# Allegro board PCIE_FIBER_BOARD-1116.brd (continued)
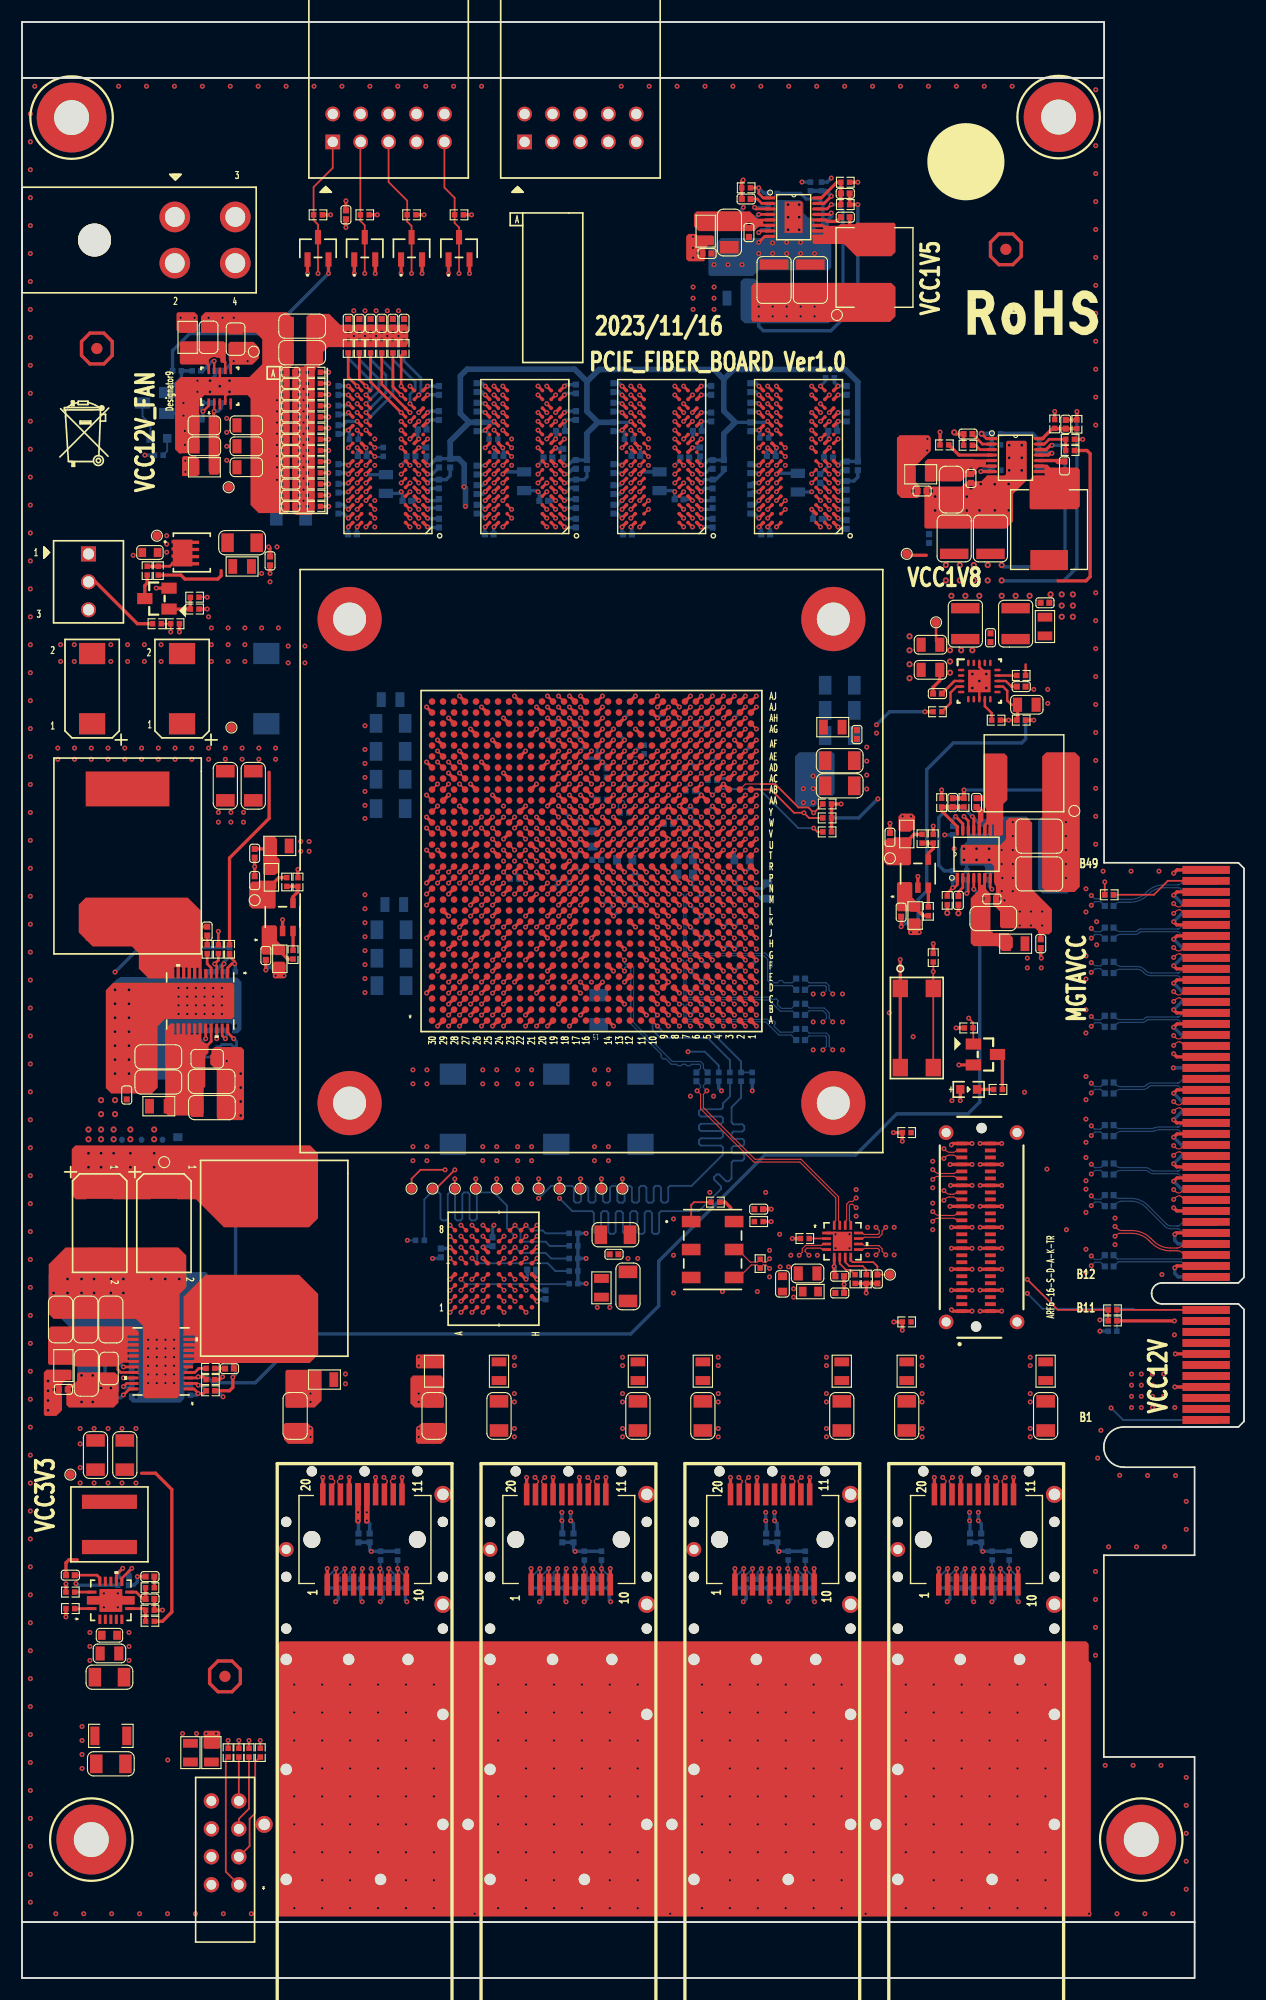
[diagram p0: board, top side]
## Routing (per net, layer and track width the routed paths; a pad name or vN(x,y) marks a point on that pad's centre or on a via; arc(x,y) is an arc through that point) (continued)
BPI_FLASH_A_9: length 79.6
  TOP w0.165: U247.V20 v1(46.8,104.53) ; U248.C3 v1(40.93,62.51)
  ART03 w0.117: v1(40.93,62.51) 40.39,61.98 38.68,61.98 37.03,63.63 36.08,63.63 31.44,68.27 31.44,74.7 27.6,78.54 27.6,80.97 28.64,82.01 28.64,85.92 28.52,86.03 27.71,86.03 27.6,86.15 27.6,86.38 27.71,86.5 28.52,86.5 28.64,86.62 28.64,86.85 28.52,86.97 27.71,86.97 27.6,87.08 27.6,87.32 27.71,87.43 28.52,87.43 28.64,87.55 28.64,87.78 28.52,87.9 27.71,87.9 27.6,88.02 27.6,94.94 28.01,95.35 28.01,95.52 27.75,95.78 27.75,95.95 27.91,96.11 28.08,96.11 28.34,95.85 28.5,95.85 28.67,96.02 28.67,96.18 28.41,96.44 28.41,96.61 28.57,96.77 28.74,96.77 29,96.51 29.17,96.51 29.33,96.68 29.33,96.84 29.07,97.1 29.07,97.27 29.24,97.43 29.4,97.43 29.66,97.17 29.83,97.17 29.99,97.34 29.99,97.5 29.73,97.77 29.73,97.93 29.9,98.1 30.06,98.1 30.32,97.83 30.49,97.83 30.65,98 30.65,98.17 30.39,98.43 30.39,98.59 33.9,102.1 34.58,102.1 34.7,102.21 34.7,102.52 34.82,102.64 35.05,102.64 35.17,102.52 35.17,102.21 35.28,102.1 35.52,102.1 35.63,102.21 35.63,102.52 35.75,102.64 35.98,102.64 36.1,102.52 36.1,102.21 36.22,102.1 38.24,102.1 38.36,102.21 38.36,102.6 38.47,102.72 38.71,102.72 38.82,102.6 38.82,102.21 38.94,102.1 39.18,102.1 39.29,102.21 39.29,102.6 39.41,102.72 39.64,102.72 39.76,102.6 39.76,102.21 39.88,102.1 41.43,102.1 41.54,102.21 41.54,102.6 41.66,102.72 41.9,102.72 42.01,102.6 42.01,102.21 42.13,102.1 43.01,102.1 43.28,102.36 43.28,102.72 43.56,103 44.96,103 45.09,103.12 45.09,103.63 45.47,104.01 45.97,104.01 46.49,104.53 v1(46.8,104.53)
BPI_FLASH_A_10: length 80.1
  TOP w0.165: U247.V19 v1(47.8,104.53) ; U248.D3 v1(41.93,62.51)
  ART03 w0.117: v1(41.93,62.51) 42.49,61.95 42.49,60 41.78,59.29 35.76,59.29 29.54,65.5 29.54,73.58 24.68,78.44 24.68,97.07 32.58,104.97 47.24,104.97 47.68,104.53 v1(47.8,104.53)
BPI_FLASH_A_11: length 77.1
  TOP w0.165: U247.W26 v1(41.8,105.53) ; U248.C4 v1(40.93,63.51)
  ART10 w0.117: v1(40.93,63.51) 41.5,62.94 42.95,62.94 43.07,62.82 43.07,62.09 42.95,61.98 40.72,61.98 40.51,62.19 40.51,62.67 40.22,62.96 39.72,62.96 39.37,62.61 39.37,62.23 39.12,61.98 37.08,61.98 31.78,67.28 31.78,76.1 32.61,76.94 32.61,80.8 27.64,85.77 27.64,96.59 28.34,98.27 31.78,101.71 31.78,101.88 31.65,102.01 31.65,102.17 31.81,102.34 31.98,102.34 32.11,102.21 32.28,102.21 32.74,102.67 32.74,102.84 32.33,103.24 32.33,103.41 32.5,103.57 32.66,103.57 33.07,103.17 33.23,103.17 33.4,103.33 33.4,103.5 32.99,103.9 32.99,104.07 33.16,104.24 33.33,104.24 33.73,103.83 33.9,103.83 34.06,104 34.06,104.16 33.66,104.57 33.66,104.73 33.82,104.9 33.99,104.9 34.39,104.49 34.56,104.49 34.72,104.66 34.72,104.82 34.32,105.23 34.32,105.39 34.48,105.56 34.65,105.56 35.05,105.15 35.22,105.15 35.38,105.32 35.38,105.48 34.98,105.89 34.98,106.05 35.14,106.22 35.31,106.22 35.72,105.81 35.88,105.81 36.22,106.15 37.06,106.15 37.42,105.79 41.54,105.79 v1(41.8,105.53)
BPI_FLASH_A_12: length 77.1
  TOP w0.165: U247.V25 v1(41.8,104.53) ; U248.A5 v1(38.93,65.43)
  ART10 w0.117: v1(41.8,104.53) 41.52,104.53 41.02,105.03 40.26,105.03 38.6,103.37 38.28,103.37 38.16,103.48 38.16,103.93 38.04,104.05 37.81,104.05 37.69,103.93 37.69,103.48 37.57,103.37 37.34,103.37 37.22,103.48 37.22,103.93 37.11,104.05 36.87,104.05 36.76,103.93 36.76,103.48 36.64,103.37 35.59,103.37 31.67,99.44 31.67,92.88 31.79,92.76 32.43,92.76 32.55,92.64 32.55,92.41 32.43,92.29 31.73,92.29 31.61,92.18 31.61,91.94 31.73,91.83 32.43,91.83 32.55,91.71 32.55,91.48 32.43,91.36 31.73,91.36 31.61,91.24 31.61,91.01 31.73,90.89 32.43,90.89 32.55,90.77 32.55,90.54 32.43,90.42 31.73,90.42 31.61,90.31 31.61,90.07 31.73,89.96 32.43,89.96 32.55,89.84 32.55,89.61 32.43,89.49 31.73,89.49 31.61,89.37 31.61,89.14 31.73,89.02 32.31,89.02 32.43,88.9 32.43,88.52 32.31,88.4 30.71,88.4 30.59,88.28 30.59,88.05 30.71,87.93 32.31,87.93 32.43,87.82 32.43,87.58 32.31,87.46 30.71,87.46 30.59,87.35 30.59,87.11 30.71,87 32.31,87 32.43,86.88 32.43,86.65 32.31,86.53 30.71,86.53 30.59,86.41 30.59,86.18 30.71,86.06 32.31,86.06 32.43,85.95 32.43,85.71 32.31,85.6 30.71,85.6 30.59,85.48 30.59,85.24 30.71,85.13 32.31,85.13 32.43,85.01 32.43,82.98 33.83,81.58 33.83,67.65 34.91,66.56 35.97,66.56 36.09,66.44 36.09,65.63 36.2,65.52 36.44,65.52 36.55,65.63 36.55,66.53 36.67,66.64 37.71,66.64 v1(38.93,65.43)
BPI_FLASH_A_13: length 77.1
  TOP w0.165: U248.B5 v1(39.93,65.43) ; U247.V30 v1(36.8,104.53)
  ART10 w0.117: v1(39.93,65.43) 39.12,64.62 36.22,64.62 33.53,67.31 33.53,81.46 31.27,83.72 31.27,83.89 31.73,84.34 31.73,84.5 31.56,84.67 31.4,84.67 30.94,84.22 30.78,84.22 30.3,84.69 30.3,85.72 30.18,85.84 29.64,85.84 29.53,85.96 29.53,86.19 29.64,86.31 30.18,86.31 30.3,86.43 30.3,86.66 30.18,86.78 29.64,86.78 29.53,86.89 29.53,87.13 29.64,87.24 30.18,87.24 30.3,87.36 30.3,87.59 30.18,87.71 29.64,87.71 29.53,87.83 29.53,88.06 29.64,88.18 30.18,88.18 30.3,88.3 30.3,88.62 30.66,88.98 30.66,89.35 30.54,89.46 29.47,89.46 29.35,89.58 29.35,89.81 29.47,89.93 30.54,89.93 30.66,90.05 30.66,90.28 30.54,90.4 29.47,90.4 29.35,90.52 29.35,90.75 29.47,90.87 30.54,90.87 30.66,90.98 30.66,91.22 30.54,91.33 29.47,91.33 29.35,91.45 29.35,91.68 29.47,91.8 30.54,91.8 30.66,91.92 30.66,92.15 30.54,92.27 29.47,92.27 29.35,92.38 29.35,92.62 29.47,92.74 30.54,92.74 30.66,92.85 30.66,93.09 30.54,93.2 29.47,93.2 29.35,93.32 29.35,93.55 29.47,93.67 30.54,93.67 30.66,93.79 30.66,94.02 30.54,94.14 29.47,94.14 29.35,94.25 29.35,94.49 29.47,94.6 30.54,94.6 30.66,94.72 30.66,94.96 30.54,95.07 29.47,95.07 29.35,95.19 29.35,95.42 29.47,95.54 30.54,95.54 30.66,95.66 30.66,95.89 30.54,96.01 29.47,96.01 29.35,96.12 29.35,96.36 29.47,96.47 30.54,96.47 30.66,96.59 30.66,96.82 30.54,96.94 29.47,96.94 29.35,97.06 29.35,97.29 29.47,97.41 30.54,97.41 30.66,97.53 30.66,98.85 36.34,104.53 v1(36.8,104.53)
BPI_FLASH_A_14: length 77.5
  TOP w0.165: U247.V29 v1(37.8,104.53) ; U248.C5 v1(40.93,65.43)
  ART10 w0.117: v1(40.93,65.43) 40.93,65.68 41.17,65.92 43.2,65.92 43.31,65.8 43.31,64.39 43.2,64.28 38.46,64.28 38.34,64.16 38.34,62.92 38.22,62.81 37.99,62.81 37.87,62.92 37.87,64.16 37.75,64.28 37.38,64.28 37.27,64.16 37.27,63.55 37.15,63.44 36.92,63.44 36.8,63.55 36.8,64.16 36.68,64.28 36.05,64.28 33.24,67.09 33.24,81.34 28.99,85.58 28.99,86.87 28.88,86.98 28.36,86.98 28.24,87.1 28.24,87.33 28.36,87.45 28.88,87.45 28.99,87.57 28.99,87.8 28.88,87.92 28.36,87.92 28.24,88.04 28.24,88.27 28.36,88.39 28.88,88.39 28.99,88.5 28.99,88.74 28.88,88.85 28.36,88.85 28.24,88.97 28.24,89.2 28.36,89.32 28.88,89.32 28.99,89.44 28.99,89.67 28.88,89.79 28.36,89.79 28.24,89.91 28.24,90.14 28.36,90.26 28.88,90.26 28.99,90.37 28.99,90.61 28.88,90.72 28.36,90.72 28.24,90.84 28.24,91.07 28.36,91.19 28.88,91.19 28.99,91.31 28.99,91.54 28.88,91.66 28.36,91.66 28.24,91.77 28.24,92.01 28.36,92.13 28.88,92.13 28.99,92.24 28.99,92.48 28.88,92.59 28.36,92.59 28.24,92.71 28.24,92.94 28.36,93.06 28.88,93.06 28.99,93.18 28.99,93.41 28.88,93.53 28.36,93.53 28.24,93.64 28.24,93.88 28.36,93.99 28.88,93.99 28.99,94.11 28.99,94.34 28.88,94.46 28.36,94.46 28.24,94.58 28.24,94.81 28.36,94.93 28.88,94.93 28.99,95.05 28.99,95.28 28.88,95.4 28.36,95.4 28.24,95.51 28.24,95.75 28.36,95.86 28.88,95.86 28.99,95.98 28.99,97.6 36.42,105.03 37.34,105.03 37.8,104.57 v1(37.8,104.53)
BPI_FLASH_A_15: length 77.5
  TOP w0.165: U247.V27 v1(40.8,104.53) ; U248.D7 v1(41.93,67.43)
  ART10 w0.117: v1(41.93,67.43) 41.48,66.97 35.9,66.97 34.12,68.75 34.12,69.98 34.24,70.09 34.44,70.09 34.56,70.21 34.56,70.44 34.44,70.56 34.24,70.56 34.12,70.68 34.12,70.91 34.24,71.03 34.44,71.03 34.56,71.14 34.56,71.38 34.44,71.5 34.24,71.5 34.12,71.61 34.12,71.85 34.24,71.96 34.44,71.96 34.56,72.08 34.56,72.31 34.44,72.43 34.24,72.43 34.12,72.55 34.12,72.78 34.24,72.9 34.44,72.9 34.56,73.01 34.56,73.25 34.44,73.36 34.24,73.36 34.12,73.48 34.12,73.72 34.24,73.83 34.44,73.83 34.56,73.95 34.56,74.18 34.44,74.3 34.24,74.3 34.12,74.42 34.12,74.65 34.24,74.77 34.44,74.77 34.56,74.88 34.56,75.12 34.44,75.23 34.24,75.23 34.12,75.35 34.12,75.58 34.24,75.7 34.44,75.7 34.56,75.82 34.56,76.05 34.44,76.17 34.24,76.17 34.12,76.29 34.12,76.52 34.24,76.64 34.44,76.64 34.56,76.75 34.56,76.99 34.44,77.1 34.24,77.1 34.12,77.22 34.12,77.45 34.24,77.57 34.44,77.57 34.56,77.69 34.56,77.92 34.44,78.04 34.24,78.04 34.12,78.16 34.12,78.39 34.24,78.51 34.44,78.51 34.56,78.62 34.56,78.86 34.44,78.97 34.24,78.97 34.12,79.09 34.12,79.32 34.24,79.44 34.44,79.44 34.56,79.56 34.56,79.79 34.44,79.91 34.24,79.91 34.12,80.02 34.12,80.26 34.24,80.37 34.44,80.37 34.56,80.49 34.56,80.73 34.44,80.84 34.24,80.84 34.12,80.96 34.12,81.19 34.24,81.31 34.44,81.31 34.56,81.43 34.56,81.66 34.44,81.78 34.24,81.78 34.12,81.89 34.12,82.82 33.63,83.31 33.47,83.31 33.07,82.92 32.91,82.92 32.74,83.09 32.74,83.25 33.14,83.64 33.14,83.81 32.84,84.1 32.84,93.32 32.73,93.44 32.08,93.44 31.97,93.55 31.97,93.79 32.08,93.9 32.73,93.9 32.84,94.02 32.84,94.25 32.73,94.37 32.08,94.37 31.97,94.49 31.97,94.72 32.08,94.84 32.73,94.84 32.84,94.95 32.84,95.19 32.73,95.3 32.08,95.3 31.97,95.42 31.97,95.66 32.08,95.77 32.73,95.77 32.84,95.89 32.84,96.12 32.73,96.24 32.08,96.24 31.97,96.36 31.97,96.59 32.08,96.71 32.73,96.71 32.84,96.82 32.84,97.06 32.73,97.17 32.08,97.17 31.97,97.29 31.97,97.52 32.08,97.64 32.73,97.64 32.84,97.76 32.84,97.99 32.73,98.11 32.08,98.11 31.97,98.23 31.97,98.46 32.08,98.58 32.73,98.58 32.84,98.69 32.84,99.15 33.25,99.56 33.25,99.72 32.89,100.08 32.89,100.25 33.06,100.41 33.22,100.41 33.58,100.05 33.75,100.05 33.91,100.22 33.91,100.38 33.55,100.74 33.55,100.91 33.72,101.07 33.88,101.07 34.24,100.71 34.41,100.71 34.57,100.88 34.57,101.04 34.21,101.4 34.21,101.57 34.38,101.73 34.55,101.73 34.9,101.37 35.07,101.37 35.24,101.54 35.24,101.71 34.88,102.06 34.88,102.23 35.04,102.4 35.21,102.4 35.57,102.04 35.73,102.04 35.9,102.2 35.9,102.37 35.54,102.73 35.54,102.89 35.7,103.06 35.87,103.06 36.23,102.7 36.39,102.7 36.74,103.04 39.62,103.04 39.74,103.16 39.74,103.83 39.85,103.95 40.09,103.95 40.21,103.83 40.21,103.16 40.32,103.04 40.68,103.04 40.8,103.16 v1(40.8,104.53)
BPI_FLASH_A_16: length 80
  TOP w0.165: U248.D8 v1(41.93,68.43) ; U247.P22 v1(45.8,99.53)
  ART03 w0.102: v1(45.8,99.53) 45.8,99.49 45.26,98.96 45.26,98.12 44.91,97.76 43.28,97.76 43.12,97.93 41.56,97.93 41.3,97.67
  ART03 w0.117: 41.3,97.67 41.3,97.41 40.92,97.03 38.58,97.03 34.81,93.25 34.81,80.41 35.81,79.41 35.81,79.24 34.95,78.39 34.95,78.22 35.12,78.06 35.28,78.06 36.14,78.91 36.3,78.91 36.47,78.75 36.47,78.58 35.61,77.73 35.61,77.56 35.78,77.4 35.94,77.4 36.8,78.25 36.97,78.25 37.13,78.09 37.13,77.92 36.28,77.06 36.28,76.9 36.44,76.73 36.61,76.73 37.46,77.59 37.63,77.59 37.79,77.42 37.79,77.26 36.94,76.4 36.94,76.24 37.1,76.07 37.27,76.07 38.12,76.93 38.29,76.93 38.45,76.76 38.45,76.6 37.6,75.74 37.6,75.58 37.76,75.41 37.93,75.41 38.78,76.27 38.95,76.27 39.12,76.1 39.12,75.94 38.26,75.08 38.26,74.92 38.43,74.75 38.59,74.75 39.45,75.61 39.61,75.61 39.86,75.36 39.86,73.28 40.22,72.91 40.22,72.75 38.28,70.81 38.28,70.64 38.45,70.47 38.61,70.47 39.11,70.97 39.27,70.97 39.78,70.46 39.95,70.46 40.11,70.62 40.11,70.79 39.6,71.3 39.6,71.46 39.77,71.63 39.93,71.63 40.44,71.12 40.61,71.12 40.77,71.29 40.77,71.45 40.26,71.96 40.26,72.13 40.56,72.42 40.72,72.42 41.22,71.92 43.3,71.92 43.67,71.55 43.67,70.96 43.55,70.84 41.79,70.84 41.68,70.72 41.68,70.49 41.79,70.37 43.55,70.37 43.67,70.26 43.67,70.02 43.55,69.91 41.79,69.91 41.68,69.79 41.68,69.56 41.79,69.44 43.55,69.44 43.67,69.32 43.67,68.07 43.32,67.73 42.63,67.73 v1(41.93,68.43)
BPI_FLASH_A_17: length 79.2
  TOP w0.165: U247.P21 v1(45.8,100.53) ; U248.A7 v1(38.93,67.43)
  ART03 w0.117: v1(45.8,100.53) 45.8,100.28 45.59,100.08 43.39,100.08 43.28,100.19 43.28,100.64 43.16,100.76 42.93,100.76 42.81,100.64 42.81,100.19 42.69,100.08 36.38,100.08 36.26,99.96 36.26,99.06 36.14,98.94 35.91,98.94 35.79,99.06 35.79,99.96 35.68,100.08 35.44,100.08 35.33,99.96 35.33,99.06 35.21,98.94 34.98,98.94 34.86,99.06 34.86,99.96 34.74,100.08 34.42,100.08 33.44,99.09 33.44,98.77 33.55,98.65 34.31,98.65 34.43,98.54 34.43,98.3 34.31,98.18 33.55,98.18 33.44,98.07 33.44,97.09 32.72,96.37 32.72,96.21 33.04,95.89 33.04,95.73 32.87,95.56 32.7,95.56 32.39,95.88 32.23,95.88 31.68,95.34 31.68,94.52 30.74,93.58 30.74,93.14 30.62,93.02 30.34,93.02 30.23,92.9 30.23,92.67 30.34,92.55 30.62,92.55 30.74,92.44 30.74,92.2 30.62,92.09 30.34,92.09 30.23,91.97 30.23,91.74 30.34,91.62 30.62,91.62 30.74,91.5 30.74,91.27 30.62,91.15 30.34,91.15 30.23,91.03 30.23,90.8 30.34,90.68 30.62,90.68 30.74,90.57 30.74,90.33 30.62,90.22 30.34,90.22 30.23,90.1 30.23,89.87 30.34,89.75 30.62,89.75 30.74,89.63 30.74,89.4 30.62,89.28 30.34,89.28 30.23,89.17 30.23,88.93 30.34,88.81 30.62,88.81 30.74,88.7 30.74,87.75 31.08,87.42 31.08,87.25 30.47,86.65 30.47,86.48 30.64,86.32 30.8,86.32 31.41,86.92 31.57,86.92 31.74,86.75 31.74,86.59 31.13,85.98 31.13,85.82 31.3,85.65 31.47,85.65 32.07,86.26 32.24,86.26 32.4,86.09 32.4,85.93 31.8,85.32 31.8,85.16 31.96,84.99 32.13,84.99 32.73,85.6 32.9,85.6 33.28,85.22 33.28,84.67 33.16,84.56 31.61,84.56 31.49,84.44 31.49,84.21 31.61,84.09 33.16,84.09 33.28,83.97 33.28,83.74 33.16,83.62 31.61,83.62 31.49,83.5 31.49,83.27 31.61,83.15 33.16,83.15 33.28,83.04 33.28,69.28 34.99,67.56 35.15,67.56 35.51,67.21 35.51,66.06 35.62,65.95 38.34,65.95 38.46,66.06 38.46,66.96 v1(38.93,67.43)
BPI_FLASH_A_18: length 79.8
  TOP w0.165: U247.N24 v1(43.8,99.53) ; U248.B7 v1(39.93,67.43)
  ART03 w0.117: v1(39.93,67.43) 40.39,67.89 40.39,68.59 40.01,68.96 39.48,68.96 39.36,69.08 39.36,69.54 39.24,69.66 39.01,69.66 38.89,69.54 38.89,69.08 38.78,68.96 38.46,68.96 38.05,68.56 37.73,68.56 37.61,68.67 37.61,69.87 37.5,69.98 37.26,69.98 37.15,69.87 37.15,68.67 37.03,68.56 36.8,68.56 36.68,68.67 36.68,69.87 36.56,69.98 36.33,69.98 36.21,69.87 36.21,68.67 36.1,68.56 35.1,68.56 34.84,68.81 34.84,68.98 35.36,69.49 35.36,69.65 35.19,69.82 35.02,69.82 34.51,69.31 34.35,69.31 34.04,69.61 34.04,70.19 34.16,70.3 37.36,70.3 37.48,70.42 37.48,70.65 37.36,70.77 34.16,70.77 34.04,70.89 34.04,71.12 34.16,71.24 37.36,71.24 37.48,71.35 37.48,71.59 37.36,71.7 34.16,71.7 34.04,71.82 34.04,72.34 34.16,72.45 35.11,72.45 35.22,72.57 35.22,72.8 35.11,72.92 34.16,72.92 34.04,73.04 34.04,73.36 34.16,73.47 34.95,73.47 35.07,73.59 35.07,73.82 34.95,73.94 34.16,73.94 34.04,74.06 34.04,74.29 34.16,74.41 34.95,74.41 35.07,74.53 35.07,74.76 34.95,74.88 34.16,74.88 34.04,74.99 34.04,75.23 34.16,75.34 34.95,75.34 35.07,75.46 35.07,75.69 34.95,75.81 34.16,75.81 34.04,75.93 34.04,76.16 34.16,76.28 34.95,76.28 35.07,76.4 35.07,76.63 34.95,76.75 34.16,76.75 34.04,76.86 34.04,95.77 36.25,97.97 37.61,97.97 38.67,99.03 44.63,99.03 44.84,99.25 44.84,99.41 44.73,99.53 v1(43.8,99.53)
BPI_FLASH_A_19: length 77.5
  TOP w0.165: U248.C7 v1(40.93,67.43) ; U247.N22 v1(44.8,98.53)
  ART10 w0.117: v1(44.8,98.53) 44.8,99.35 44.2,99.95 42.96,99.95 42.84,100.07 42.84,100.61 42.72,100.73 42.49,100.73 42.37,100.61 42.37,100.07 42.25,99.95 36.64,99.95 35.77,99.08 35.77,98.91 36.23,98.46 36.23,98.29 36.06,98.12 35.9,98.12 35.44,98.58 35.28,98.58 35.11,98.42 35.11,98.25 35.57,97.79 35.57,97.63 35.4,97.46 35.24,97.46 34.78,97.92 34.62,97.92 34.29,97.6 34.29,96.81 34.17,96.7 33.55,96.7 33.44,96.58 33.44,96.34 33.55,96.23 34.17,96.23 34.29,96.11 34.29,95.88 34.17,95.76 33.55,95.76 33.44,95.64 33.44,95.41 33.55,95.29 34.17,95.29 34.29,95.18 34.29,94.94 34.17,94.83 33.55,94.83 33.44,94.71 33.44,94.48 33.55,94.36 34.17,94.36 34.29,94.24 34.29,94.01 34.17,93.89 33.55,93.89 33.44,93.77 33.44,93.54 33.55,93.42 34.17,93.42 34.29,93.31 34.29,93.07 34.17,92.96 33.55,92.96 33.44,92.84 33.44,92.61 33.55,92.49 34.17,92.49 34.29,92.37 34.29,92.14 34.17,92.02 33.55,92.02 33.44,91.91 33.44,91.67 33.55,91.55 34.17,91.55 34.29,91.44 34.29,91.2 34.17,91.09 33.55,91.09 33.44,90.97 33.44,90.74 33.55,90.62 34.17,90.62 34.29,90.5 34.29,90.27 34.17,90.15 33.55,90.15 33.44,90.04 33.44,89.8 33.55,89.69 34.17,89.69 34.29,89.57 34.29,89.33 34.17,89.22 33.55,89.22 33.44,89.1 33.44,88.87 33.55,88.75 34.17,88.75 34.29,88.63 34.29,88.4 34.17,88.28 33.55,88.28 33.44,88.17 33.44,87.93 33.55,87.82 34.17,87.82 34.29,87.7 34.29,87.47 34.17,87.35 33.55,87.35 33.44,87.23 33.44,87 33.55,86.88 34.17,86.88 34.29,86.76 34.29,86.53 34.17,86.41 33.55,86.41 33.44,86.3 33.44,86.06 33.55,85.95 34.17,85.95 34.29,85.83 34.29,85.6 34.17,85.48 33.55,85.48 33.44,85.36 33.44,85.13 33.55,85.01 34.17,85.01 34.29,84.89 34.29,84.13 34.51,83.91 35.23,83.91 36.09,83.05 36.09,80.75 35.15,79.81 35.15,72.8 36.13,71.82 36.13,71.65 35.31,70.84 35.31,70.67 35.48,70.51 35.64,70.51 36.46,71.32 36.62,71.32 36.79,71.16 36.79,70.99 35.97,70.18 35.97,70.01 36.14,69.85 36.3,69.85 37.12,70.66 37.28,70.66 37.45,70.49 37.45,70.33 37.09,69.97 37.09,69.81 37.26,69.64 37.42,69.64 37.78,70 38.06,70 39.44,68.62 39.44,68.3 39.84,67.89 40.44,67.89 40.9,67.43 v1(40.93,67.43)
BPI_FLASH_A_20: length 77.5
  TOP w0.165: U248.C8 v1(40.93,68.43) ; U247.N21 v1(45.8,98.53)
  ART10 w0.117: v1(45.8,98.53) 45.33,98.06 43.55,98.06 43.31,98.3 43.31,98.81 43.05,99.06 40.13,99.06 39.12,98.04 36.69,98.04 35.54,96.9 35.54,96.28 35.43,96.16 34.86,96.16 34.74,96.04 34.74,95.81 34.86,95.69 35.43,95.69 35.54,95.58 35.54,95.34 35.43,95.23 34.86,95.23 34.74,95.11 34.74,94.88 34.86,94.76 35.43,94.76 35.54,94.64 35.54,94.41 35.43,94.29 34.86,94.29 34.74,94.17 34.74,93.94 34.86,93.82 35.43,93.82 35.54,93.71 35.54,93.47 35.43,93.36 34.86,93.36 34.74,93.24 34.74,93.01 34.86,92.89 35.43,92.89 35.54,92.77 35.54,92.54 35.43,92.42 34.86,92.42 34.74,92.3 34.74,92.07 34.86,91.95 35.43,91.95 35.54,91.84 35.54,91.6 35.43,91.49 34.86,91.49 34.74,91.37 34.74,91.14 34.86,91.02 35.43,91.02 35.54,90.9 35.54,90.67 35.43,90.55 34.86,90.55 34.74,90.44 34.74,90.2 34.86,90.08 35.43,90.08 35.54,89.97 35.54,89.73 35.43,89.62 34.86,89.62 34.74,89.5 34.74,89.27 34.86,89.15 35.43,89.15 35.54,89.03 35.54,88.8 35.43,88.68 34.86,88.68 34.74,88.57 34.74,88.33 34.86,88.22 35.43,88.22 35.54,88.1 35.54,87.86 35.43,87.75 34.86,87.75 34.74,87.63 34.74,87.4 34.86,87.28 35.43,87.28 35.54,87.16 35.54,86.93 35.43,86.81 34.86,86.81 34.74,86.7 34.74,86.46 34.86,86.35 35.43,86.35 35.54,86.23 35.54,86 35.43,85.88 34.86,85.88 34.74,85.76 34.74,85.53 34.86,85.41 35.43,85.41 35.54,85.29 35.54,84.11 36.38,83.28 36.38,80.98 36.99,80.38 36.99,79.35 36.87,79.23 35.74,79.23 35.62,79.11 35.62,78.88 35.74,78.76 36.87,78.76 36.99,78.64 36.99,78.41 36.87,78.29 35.74,78.29 35.62,78.18 35.62,77.94 35.74,77.83 36.87,77.83 36.99,77.71 36.99,77.48 36.87,77.36 35.74,77.36 35.62,77.24 35.62,77.01 35.74,76.89 36.87,76.89 36.99,76.77 36.99,76.36 36.12,75.5 36.12,73.57 36.41,73.28 36.41,73.12 35.91,72.62 35.91,72.45 36.08,72.29 36.24,72.29 36.74,72.78 36.9,72.78 37.07,72.62 37.07,72.45 36.57,71.95 36.57,71.79 36.74,71.62 36.9,71.62 37.4,72.12 37.57,72.12 37.73,71.96 37.73,71.79 37.23,71.29 37.23,71.13 37.4,70.96 37.56,70.96 38.06,71.46 38.23,71.46 38.39,71.3 38.39,71.13 37.89,70.63 37.89,70.47 38.06,70.3 38.22,70.3 38.72,70.8 38.89,70.8 39.05,70.63 39.05,70.47 38.64,70.05 38.64,69.89 38.8,69.72 38.97,69.72 39.38,70.14 39.55,70.14 39.72,69.97 39.72,69.81 39.27,69.37 39.27,69.2 39.44,69.03 39.6,69.03 40.05,69.48 40.21,69.48 40.93,68.76 v1(40.93,68.43)
BPI_FLASH_A_21: length 77.7
  TOP w0.165: U248.A8 v1(38.93,68.43) ; U247.N20 v1(47.8,99.53)
  ART10 w0.117: v1(38.93,68.43) 38.04,68.43 37.92,68.31 37.92,67.5 37.81,67.39 37.57,67.39 37.46,67.5 37.46,68.31 37.34,68.43 37.02,68.43 36.5,68.95 36.34,68.95 35.57,68.19 35.41,68.19 35.24,68.35 35.24,68.52 36.01,69.28 36.01,69.44 35.84,69.61 35.67,69.61 34.91,68.85 34.75,68.85 34.58,69.01 34.58,69.18 35.34,69.94 35.34,70.1 34.85,70.6 34.85,82.51 33.14,84.22 33.14,96.98 33.79,97.63 33.79,97.79 33.14,98.44 33.14,98.61 33.3,98.77 33.47,98.77 34.12,98.12 34.28,98.12 34.45,98.29 34.45,98.45 33.8,99.1 33.8,99.27 33.97,99.43 34.13,99.43 34.78,98.79 34.94,98.79 35.11,98.95 35.11,99.12 34.46,99.76 34.46,99.93 34.63,100.1 34.79,100.1 35.44,99.45 35.61,99.45 35.77,99.61 35.77,99.78 35.12,100.43 35.12,100.59 35.29,100.76 35.45,100.76 36.1,100.11 36.27,100.11 36.43,100.27 36.43,100.44 35.78,101.09 35.78,101.25 35.95,101.42 36.11,101.42 36.76,100.77 36.93,100.77 37.25,101.09 37.82,101.09 37.94,101.21 37.94,101.96 38.05,102.08 38.29,102.08 38.4,101.96 38.4,101.21 38.52,101.09 38.76,101.09 38.87,101.21 38.87,101.96 38.99,102.08 39.22,102.08 39.34,101.96 39.34,101.21 39.46,101.09 39.69,101.09 39.81,101.21 39.81,101.96 39.92,102.08 40.16,102.08 40.27,101.96 40.27,101.21 40.39,101.09 40.62,101.09 40.74,101.21 40.74,101.96 40.86,102.08 41.09,102.08 41.21,101.96 41.21,101.21 41.33,101.09 41.56,101.09 41.68,101.21 41.68,101.96 41.79,102.08 42.03,102.08 42.14,101.96 42.14,101.21 42.26,101.09 42.49,101.09 42.61,101.21 42.61,101.96 42.73,102.08 42.96,102.08 43.08,101.96 43.08,101.21 43.2,101.09 46.99,101.09 47.37,100.71 47.37,99.96 v1(47.8,99.53)
BPI_FLASH_A_22: length 77.7
  TOP w0.165: U247.N19 v1(47.8,98.53) ; U248.G1 v1(45.85,60.51)
  ART10 w0.117: v1(47.8,98.53) 46.8,97.54 44.83,97.54 44.32,97.03 40.64,97.03 40.41,96.8 40.25,96.8 39.69,97.36 39.52,97.36 39.36,97.19 39.36,97.03 39.92,96.47 39.92,96.31 38.35,94.74 38.35,93.01 38.47,92.89 39.9,92.89 40.01,92.77 40.01,92.54 39.9,92.42 38.47,92.42 38.35,92.31 38.35,92.07 38.47,91.96 39.9,91.96 40.01,91.84 40.01,91.61 39.9,91.49 38.47,91.49 38.35,91.37 38.35,90.86 38.24,90.75 37.32,90.75 37.2,90.63 37.2,90.4 37.32,90.28 38.24,90.28 38.35,90.16 38.35,89.93 38.24,89.81 37.32,89.81 37.2,89.7 37.2,89.46 37.32,89.35 38.24,89.35 38.35,89.23 38.35,88.99 38.24,88.88 37.32,88.88 37.2,88.76 37.2,88.53 37.32,88.41 38.24,88.41 38.35,88.29 38.35,88.06 38.24,87.94 37.32,87.94 37.2,87.83 37.2,87.59 37.32,87.48 38.24,87.48 38.35,87.36 38.35,85.8 39.87,84.28 39.87,76.59 37.87,74.59 37.87,73.4 39.23,72.04 46.97,72.04 49.2,69.81 49.2,65.05 49.08,64.93 48.54,64.93 48.43,64.81 48.43,64.58 48.54,64.46 49.08,64.46 49.2,64.35 49.2,64.11 49.08,64 48.54,64 48.43,63.88 48.43,63.64 48.54,63.53 49.08,63.53 49.2,63.41 49.2,62.99 46.71,60.51 v1(45.85,60.51)
BPI_FLASH_A_23: length 77.7
  TOP w0.165: U248.H8 v1(46.85,68.43) ; U247.N26 v1(41.8,98.53)
  ART10 w0.117: v1(46.85,68.43) 47.55,67.72 47.55,65.82 47.67,65.7 48.02,65.7 48.13,65.82 48.13,66.19 48.25,66.31 48.71,66.31 48.82,66.42 48.82,66.66 48.71,66.78 48.25,66.78 48.13,66.89 48.13,67.13 48.25,67.24 48.71,67.24 48.82,67.36 48.82,67.59 48.71,67.71 48.25,67.71 48.13,67.83 48.13,70.05 48.02,70.17 46.7,70.17 45.49,68.95 45.32,68.95 45.16,69.12 45.16,69.28 46.41,70.53 46.41,71.32 46.07,71.66 45.03,71.66 44.92,71.54 44.92,69.66 44.8,69.55 44.57,69.55 44.45,69.66 44.45,71.54 44.33,71.66 44.1,71.66 43.98,71.54 43.98,69.66 43.87,69.55 43.63,69.55 43.52,69.66 43.52,71.54 43.4,71.66 39.19,71.66 37.58,73.27 37.58,74.95 39.49,76.86 39.49,83.75 36.39,86.85 36.39,91.29 36.51,91.4 37.02,91.4 37.13,91.52 37.13,91.75 37.02,91.87 36.51,91.87 36.39,91.99 36.39,92.31 36.51,92.42 37.72,92.42 37.84,92.54 37.84,92.77 37.72,92.89 36.51,92.89 36.39,93.01 36.39,93.24 36.51,93.36 37.72,93.36 37.84,93.47 37.84,93.71 37.72,93.83 36.51,93.83 36.39,93.94 36.39,94.94 36.69,95.24 36.69,95.41 36.13,95.97 36.13,96.13 36.3,96.3 36.46,96.3 37.03,95.74 37.19,95.74 37.36,95.9 37.36,96.07 36.79,96.63 36.79,96.79 36.96,96.96 37.13,96.96 37.69,96.4 37.85,96.4 38.02,96.56 38.02,96.73 37.46,97.29 37.46,97.46 37.62,97.62 37.79,97.62 38.35,97.06 38.51,97.06 39.98,98.53 v1(41.8,98.53)
BPI_FLASH_A_24: length 79.7
  TOP w0.165: U248.B6 v1(39.93,66.43) ; U247.N25 v1(42.8,98.53)
  ART03 w0.102: v1(42.8,98.53) 42.57,98.53 42.18,98.13 41.35,98.13
  ART03 w0.117: v1(39.93,66.43) 39.47,65.97 39.47,64.7 40.17,64 40.57,64 40.69,64.12 40.69,64.85 40.8,64.96 41.04,64.96 41.15,64.85 41.15,64.12 41.27,64 41.5,64 41.62,64.12 41.62,64.85 41.74,64.96 41.97,64.96 42.09,64.85 42.09,64.12 42.21,64 42.94,64 43.27,64.33 43.27,64.68 43.16,64.8 42.6,64.8 42.49,64.91 42.49,65.15 42.6,65.26 43.16,65.26 43.27,65.38 43.27,65.61 43.16,65.73 42.6,65.73 42.49,65.85 42.49,66.08 42.6,66.2 43.16,66.2 43.27,66.32 43.27,66.76 43.16,66.87 41.78,66.87 41.4,67.25 41.4,69.22 40.67,69.95 38.38,69.95 37.77,70.56 37.77,72 37.65,72.12 35.64,72.12 35.52,72.23 35.52,72.47 35.64,72.58 37.65,72.58 37.77,72.7 37.77,72.93 37.65,73.05 35.64,73.05 35.52,73.17 35.52,73.4 35.64,73.52 37.65,73.52 37.77,73.64 37.77,74.71 37.59,74.89 36.65,74.89 36.26,75.29 36.26,76.09 34.49,77.86 34.49,93.42 35.45,94.38 35.45,94.55 34.67,95.33 34.67,95.49 34.84,95.66 35,95.66 35.78,94.88 35.95,94.88 36.11,95.04 36.11,95.21 35.33,95.99 35.33,96.15 35.5,96.32 35.66,96.32 36.44,95.54 36.61,95.54 36.77,95.7 36.77,95.87 35.99,96.65 35.99,96.82 36.16,96.98 36.32,96.98 37.11,96.2 37.27,96.2 37.74,96.67 37.74,96.83 37.34,97.23 37.34,97.4 37.51,97.56 37.68,97.56 38.07,97.16 38.24,97.16 38.4,97.33 38.4,97.5 38.01,97.89 38.01,98.06 38.17,98.22 38.34,98.22 38.73,97.83 38.9,97.83 39.2,98.13 39.67,98.13 39.78,98.25 39.78,98.7 39.9,98.82 40.13,98.82 40.25,98.7 40.25,98.25 40.37,98.13 40.6,98.13 40.72,98.25 40.72,98.7 40.83,98.82 41.07,98.82 41.18,98.7 41.18,98.25 41.3,98.13 41.35,98.13
